# Allegro board 6089-103-RevB_76.brd (continued)
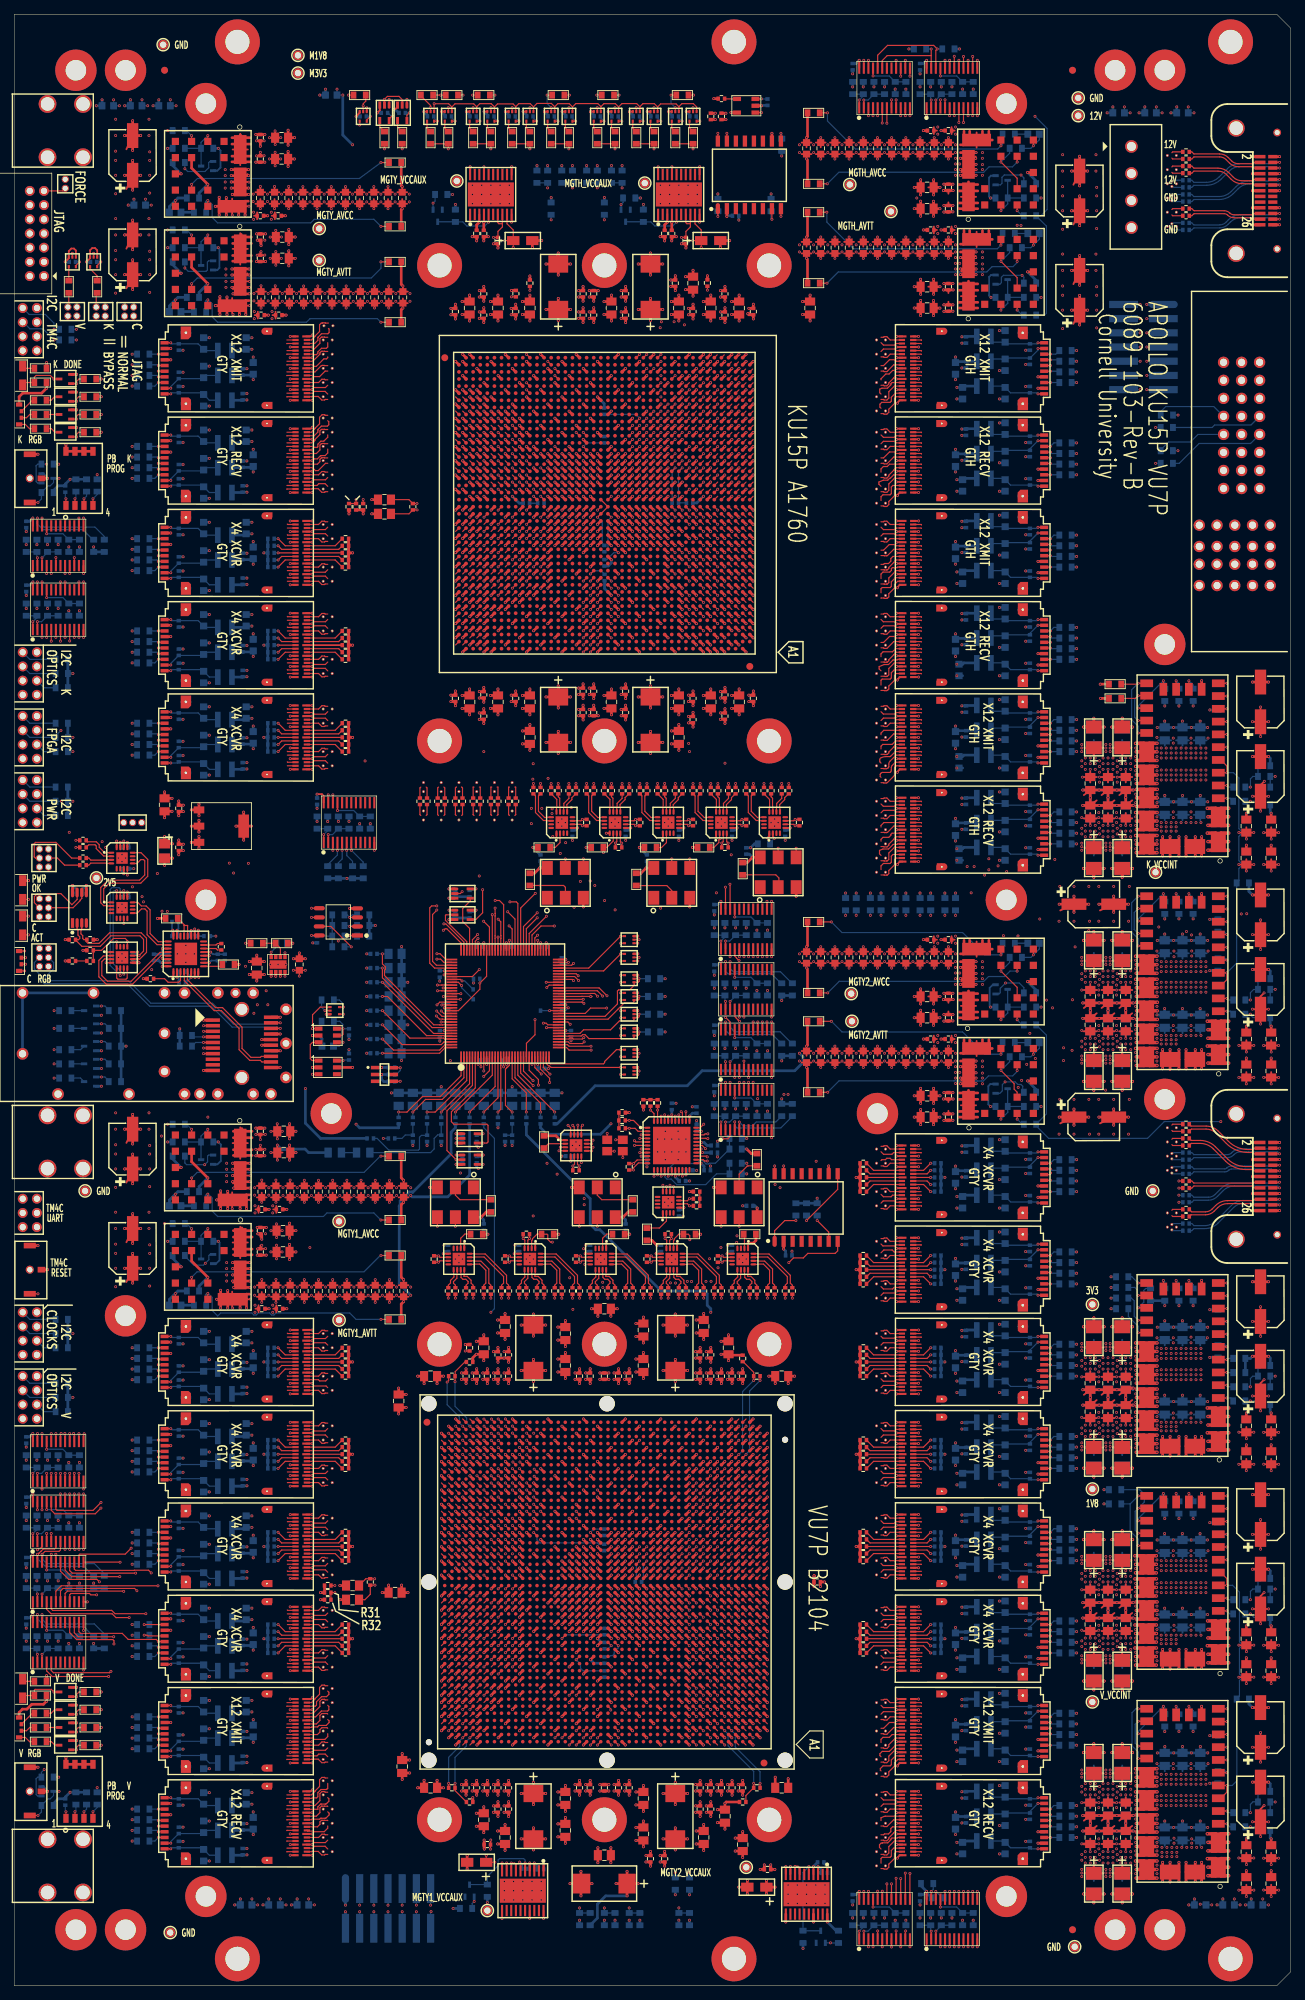
[diagram p0: board, top side]
## Routing (per net, layer and track width the routed paths; a pad name or vN(x,y) marks a point on that pad's centre or on a via; arc(x,y) is an arc through that point) (continued)
; 94.71,65.41 v1(95.17,65.87) ; C350.2 v1(126.88,250.4) ; C350.2 v1(127.79,249.35) ; C350.2 v1(127.79,251.45) ; C354.2 v1(127.79,135.35) ; C354.2 v1(127.79,137.45) ; C354.2 v1(126.88,136.4) ; U65.V28 v1(76.23,204.93) ; U66.AD3 v1(104.16,57.87) ; v1(81.45,14.4) C196.2 79.9,14.4 ; U65.M39 v1(65.23,198.93) ; 161.9,160.53 v1(161.9,161.9) ; 161.9,160.53 U122.27 ; 161.9,160.53 v1(161.9,159.2) ; U66.AH41 v1(65.23,61.86) ; 164.2,16.02 v1(164.2,17.4) ; 164.2,16.02 v1(164.2,14.7) ; 164.2,16.02 U126.27 ; U65.B3 v1(102.17,188.93) ; U29.2 v1(22.07,38.7) ; U65.AW21 v1(84.17,226.87) ; U66.AG25 v1(81.24,60.87) ; SW2.3 v1(4.7,100.9) ; U66.AY5 v1(102.16,73.87) ; U65.AK3 v1(102.17,217.87) ; v1(100.86,245.9) C261.2 v1(99.55,244.93) ; v1(67.56,245.45) C129.2 v1(68.2,244.87) ; v1(65.56,235.85) C118.2 v1(66.2,236.43) ; U66.F40 v1(66.23,38.93) ; v1(69.06,24.45) C145.2 v1(69.7,23.87) ; R65.1 R66.1 R67.1 ; R65.1 R64.1 R63.1 ; R65.1 v1(47.71,48.9) ; U65.Y13 v1(92.17,206.93) ; U65.R1 v1(104.17,201.93) ; U65.AK40 v1(64.23,217.87) ; U65.BA27 v1(77.23,228.87) ; v1(66.2,91.72) C122.2 v1(65.15,90.81) ; v1(102.2,179.08) C288.2 v1(101.15,179.99) ; C428.2 v1(155.45,136.31) C408.2 ; C428.2 v1(157.75,136.31) ; C428.2 v1(156.7,137.41) C427.2 ; v1(64.56,246.45) C111.2 v1(65.2,245.87) ; v1(33.25,98.4) 32.1,98.4 ; 32.1,98.4 v1(30.95,98.4) ; 32.1,98.4 32.1,99.3 ; U65.AK29 v1(75.23,217.87) ; U123.13 v1(167.4,153.88) ; U65.J2 v1(103.17,195.93) ; U13.11 v1(37.51,129.38) ; U25.2 v1(22.07,90.7) ; U65.AJ41 v1(63.23,216.87) ; U27.4 v1(22.07,63.1) ; C406.2 v1(154.2,167.41) C405.2 ; U65.AN11 v1(94.17,220.87) ; v1(135.55,143.5) 134.45,143.5 ; U65.C33 v1(71.23,189.93) ; C38.2 v1(38.43,109.4) ; U29.4 v1(22.07,37.1) ; U66.AK8 v1(99.16,63.87) ; U66.F44 v1(62.24,38.93) ; U66.AF42 v1(64.24,59.85) ; v1(79.56,235.85) C178.2 v1(80.2,236.43) ; U66.AG21 v1(86.15,60.87) ; Q4.2 v1(8.8,219.55) ; U66.AC39 v1(67.24,55.93) ; 161.9,76.03 v1(161.9,77.4) ; 161.9,76.03 v1(161.9,74.7) ; 161.9,76.03 U124.27 ; U66.AN43 v1(63.23,66.86) ; U66.AJ25 v1(81.24,62.88) ; U66.U17 v1(90.17,49.93) ; U65.AN42 v1(62.23,220.87) ; U66.AA44 v1(62.24,53.95) ; U66.AK40 v1(66.23,63.87) ; v1(56.88,27.9) C95.2 v1(57.79,28.95) ; U66.AD14 v1(93.16,57.87) ; U65.U27 v1(77.23,203.93) ; U66.G2 v1(105.15,39.93) ; C404.2 v1(153.65,12.94) 153.66,12.94 ; C404.2 v1(150.75,12.94) 150.74,12.94 ; U65.AN38 v1(66.23,220.87) ; v1(34.16,242.95) C21.2 v1(35.44,242.95) ; U46.3 v1(61.3,150.24) ; U66.V16 v1(91.16,50.92) ; U65.E9 v1(96.17,191.93) ; U66.T46 v1(60.23,48.94) ; U108.4 v1(144.33,174.7) ; U66.D32 v1(74.23,36.93) ; U65.C23 v1(81.23,189.93) ; U35.4 v1(47.3,151.81) ; U65.B38 v1(66.23,188.93) ; U66.D41 v1(65.23,36.93) ; U65.B20 v1(85.17,188.93) ; C299.2 v1(103.35,14.87) ; C299.2 v1(102.15,13.9) ; C299.2 v1(103.35,12.93) ; U104.4 v1(144.33,226.7) ; U66.AE23 v1(84.17,58.86) ; U65.AN35 v1(69.23,220.87) ; U27.2 v1(22.07,64.7) ; C472.2 v1(177.2,130.72) ; v1(38.81,107.45) C44.2 ; C44.2 v1(39.72,106.4) ; C44.2 v1(38.81,105.35) ; v1(85.56,181.95) C208.2 v1(86.2,181.37) ; P3.2 v1(174.58,118.83) ; U65.AG19 v1(86.17,214.87) ; C423.2 v1(157.65,32.86) 157.66,32.86 ; C423.2 v1(154.75,32.86) 154.73,32.86 ; v1(81.7,236.43) C186.2 v1(81.06,235.85) ; 31.9,252.4 v1(33.05,252.4) ; 31.9,252.4 v1(30.75,252.4) ; v1(96.06,24.45) C256.2 v1(96.7,23.87) ; U66.BD41 v1(65.23,77.86) ; U95.10 v1(106.82,261.02) ; U65.W17 v1(88.17,205.93) ; U66.AA23 v1(84.17,53.95) ; U65.AC13 v1(92.17,210.87) ; U65.E41 v1(63.23,191.93) ; U65.P38 v1(66.23,200.93) ; v1(176.83,58.7) C466.2 v1(174.57,58.7) ; U65.AB26 v1(78.23,209.87) ; U65.AT3 v1(102.17,223.87) ; U66.L1 v1(106.17,43.94) ; R114.2 v1(80.63,160.4) ; U66.AJ5 v1(102.16,62.88) ; U65.AU40 v1(64.23,224.87) ; U65.W2 v1(103.17,205.93) ; C390.2 v1(150.65,51.81) ; U120.15 v1(142.86,141.5) ; U66.AE35 v1(71.23,58.86) ; C237.2 v1(93.2,22.25) ; C237.2 v1(91.47,20.7) ; C237.2 v1(94.93,20.7) ; C237.2 v1(93.2,19.15) ; U65.AE29 v1(75.23,212.87) ; U65.AB29 v1(75.23,209.87) ; C418.2 v1(154.75,127.44) 154.74,127.44 ; U65.AD3 v1(102.17,211.87) ; U66.AG5 v1(102.16,60.87) ; R60.1 v1(47.71,61.9) ; R60.1 R59.1 R58.1 ; U66.M12 v1(95.17,44.93) ; U16.15 v1(23.54,241.3) ; U65.K3 v1(102.17,196.93) ; v1(104.2,180.37) C296.2 v1(103.56,180.95) ; U66.BC44 v1(62.24,76.87) ; U66.R2 v1(105.15,47.93) ; U65.AF22 v1(82.23,213.87) ; U23.4 v1(22.07,190.1) ; 164.2,160.53 v1(164.2,161.9) ; 164.2,160.53 U122.27 ; 164.2,160.53 v1(164.2,159.2) ; C7.2 v1(16.7,118.62) ; C7.2 v1(17.83,120.7) ; C7.2 v1(15.57,120.7) ; C7.2 v1(16.7,122.78) ; U66.AL1 v1(106.17,64.86) ; C388.2 v1(150.65,81.81) ; v1(99.06,86.35) C274.2 v1(99.7,86.93) ; U65.AH28 v1(76.23,215.87) ; C430.2 v1(157.75,81.81) ; U65.AH35 v1(69.23,215.87) ; C42.2 v1(38.71,245.35) ; C42.2 v1(38.71,247.45) ; C42.2 v1(39.62,246.4) ; C37.2 v1(38.33,235.4) ; U66.AF40 v1(66.23,59.85) ; U66.A12 v1(95.17,33.93) ; U66.G13 v1(94.16,39.93) ; U65.AW31 v1(73.23,226.87) ; 177.43,109.22 v1(178.38,109.22) ; v1(68.2,26.87) C135.2 v1(67.56,27.45) ; U65.AA23 v1(81.23,207.93) ; U66.BF26 v1(80.25,79.87) ; U65.AJ38 v1(66.23,216.87) ; v1(99.06,27.45) C275.2 v1(99.7,26.87) ; U66.BF16 v1(91.16,79.87) ; U65.G15 v1(90.17,193.93) ; U66.AE1 v1(106.17,58.86) ; U65.Y28 v1(76.23,206.93) ; U65.AE21 v1(84.17,212.87) ; v1(54.2,84.22) C84.2 v1(55.25,83.31) ; U65.N42 v1(62.23,199.93) ; U66.AC2 v1(105.15,55.93) ; U66.AC7 v1(100.17,55.93) ; U66.AC42 v1(64.24,55.93) ; U65.AB11 v1(94.17,209.87) ; C391.2 v1(151.7,22.89) C392.2 ; C391.2 v1(152.94,23.99) C413.2 ; C391.2 v1(150.65,23.99) ; U65.V39 v1(65.23,204.93) ; v1(176.83,173.2) C460.2 v1(174.57,173.2) ; U65.E5 v1(100.17,191.93) ; U66.J1 v1(106.17,41.93) ; U65.C6 v1(99.17,189.93) ; U66.AR1 v1(106.17,68.87) ; U66.M3 v1(104.16,44.93) ; U66.C2 v1(105.15,35.94) ; U65.AR42 v1(62.23,222.87) ; U66.AA10 v1(97.15,53.95) ; U33.2 v1(42.04,129.4) ; U66.AF45 v1(61.25,59.85) ; U65.AE1 v1(104.17,212.87) ; U66.P22 v1(85.16,46.94) ; U65.W19 v1(86.17,205.93) ; U66.U35 v1(71.23,49.93) ; C357.2 v1(128.17,261.4) ; U112.4 v1(144.33,86.7) ; C473.2 v1(177.2,80.72) ; 156.2,147.31 v1(154.75,147.31) 154.71,147.31 ; 156.2,147.31 v1(157.65,147.31) ; 156.2,147.31 C417.2 v1(156.2,148.55) 156.2,148.56 ; v1(80.2,239.43) C177.2 v1(79.56,238.85) ; U66.AA1 v1(106.17,53.95) ; v1(54.8,239.5) 54.56,239.74 R75.2 ; U66.AJ42 v1(64.24,62.88) ; U66.W44 v1(62.24,51.94) ; U65.AJ1 v1(104.17,216.87) ; U66.AC5 v1(102.16,55.93) ; U65.AE25 v1(79.23,212.87) ; U66.AF14 v1(93.16,59.85) ; v1(23.2,159.37) C13.2 v1(23.84,159.95) ; U65.AG17 v1(88.17,214.87) ; U66.AF4 v1(103.17,59.85) ; R160.2 111.84,129.29 ; U66.L44 v1(62.24,43.94) ; U113.2 v1(144.33,72.1) ; v1(92.65,235.49) C238.2 v1(93.7,234.58) ; v1(92.56,240.35) C234.2 v1(93.2,240.93) ; U66.AH24 v1(82.23,61.86) ; v1(77.7,24.58) C169.2 v1(76.65,25.49) ; C408.2 v1(154.2,137.41) C407.2 ; C408.2 v1(152.96,136.31) C386.2 ; U65.AP7 v1(98.17,221.87) ; U65.K30 v1(74.23,196.93) ; v1(63.7,86.93) C105.2 v1(63.06,86.35) ; U66.J42 v1(64.24,41.93) ; U65.A12 v1(93.17,187.93) ; U66.AD26 v1(80.25,57.87) ; U66.AH46 v1(60.23,61.86) ; U66.AV30 v1(76.23,71.87) ; U65.H11 v1(94.17,194.93) ; U66.AD5 v1(102.16,57.87) ; R35.1 R34.1 R33.1 ; R35.1 R36.1 R37.1 ; R35.1 v1(47.71,201.9) ; U65.BA12 v1(93.17,228.87) ; U65.AG5 v1(100.17,214.87) ; C353.2 v1(127.79,138.35) ; C353.2 v1(127.79,140.45) ; C353.2 v1(126.88,139.4) ; U66.AH37 v1(69.25,61.86) ; U65.AN2 v1(103.17,220.87) ; U65.N23 v1(81.23,199.93) ; C405.2 v1(152.94,168.49) C383.2 ; U66.U43 v1(63.23,49.93) ; 103.7,65.41 v1(104.16,65.87) ; U66.AN10 v1(97.15,66.86) ; 79.9,14.4 v1(79.9,16.13) ; 79.9,14.4 v1(79.9,12.67) ; 79.9,14.4 v1(78.35,14.4) ; U65.G36 v1(68.23,193.93) ; v1(64.2,179.08) C108.2 v1(63.15,179.99) ; U66.AJ44 v1(62.24,62.88) ; U66.AK34 v1(72.25,63.87) ; P2.8 v1(174.58,255.32) ; v1(63.15,237.31) C107.2 v1(64.2,238.22) ; C360.2 v1(128.17,133.4) ; U65.AM11 v1(94.17,219.87) ; U66.E5 v1(102.16,37.94) ; U65.W29 v1(75.23,205.93) ; U65.J41 v1(63.23,195.93) ; U66.Y18 v1(89.18,52.93) ; U66.C1 v1(106.17,35.94) ; v1(66.28,19.27) 66.28,19.34 66.25,19.38 C126.2 v1(66.25,20.54) ; U122.27 v1(162.95,159.14) ; U122.27 v1(162.95,161.91) ; v1(132.34,125.85) C379.2 v1(131.06,125.85) ; U124.27 v1(162.95,77.41) ; U124.27 164.2,76.03 ; U124.27 v1(162.95,74.64) ; v1(77.7,89.22) C168.2 v1(76.65,88.31) ; C401.2 v1(150.75,62.86) 150.72,62.86 ; C401.2 v1(152.2,64.1) 152.2,64.12 ; C401.2 v1(153.65,62.86) 153.65,62.86 ; U65.E19 v1(86.17,191.93) ; U66.AJ15 v1(92.17,62.88) ; U66.N15 v1(92.17,45.95) ; v1(135.6,144.3) 134.5,144.3 ; 134.5,144.3 133.4,144.3 ; 134.5,144.3 134.5,142.64 ; U66.BF6 v1(101.17,79.87) ; U66.D9 v1(98.17,36.93) ; U66.N25 v1(81.24,45.95) ; U65.AL27 v1(77.23,218.87) ; U65.F22 v1(82.23,192.93) ; v1(86.2,178.37) C209.2 v1(85.56,178.95) ; U66.F12 v1(95.17,38.93) ; U66.U10 v1(97.15,49.93) ; U65.A27 v1(77.23,187.93) ; U65.BB40 v1(64.23,229.87) ; U65.AU42 v1(62.23,224.87) ; U65.AR19 v1(86.17,222.87) ; U66.AG43 v1(63.23,60.87) ; U66.AV8 v1(99.16,71.87) ; U66.U23 v1(84.17,49.93) ; U66.J17 v1(90.17,41.93) ; U66.V40 v1(66.23,50.92) ; U66.AJ1 v1(106.17,62.88) ; v1(176.83,143.2) C462.2 v1(174.57,143.2) ; U65.AK38 v1(66.23,217.87) ; U65.Y7 v1(98.17,206.93) ; U65.AH16 v1(89.17,215.87) ; U66.V3 v1(104.16,50.92) ; U99.17 v1(112.67,9) ; U66.AW5 v1(102.16,72.86) ; U65.T29 v1(75.23,202.93) ; U114.2 v1(144.33,59.1) ; U66.AJ2 v1(105.15,62.88) ; v1(81.06,178.95) C188.2 v1(82.33,178.95) ; U66.AU44 v1(62.24,70.85) ; C369.2 v1(130.67,247.4) ; R45.1 v1(47.71,175.9) ; R45.1 R46.1 R47.1 ; U65.AH39 v1(65.23,215.87) ; U111.4 v1(144.33,99.7) ; U66.F3 v1(104.16,38.93) ; U65.J38 v1(66.23,195.93) ; v1(67.15,179.99) C131.2 v1(68.2,179.08) ; U71.3 v1(87.91,142.4) ; U65.AK33 v1(71.23,217.87) ; U65.AH26 v1(78.23,215.87) ; v1(88.7,24.58) C220.2 v1(87.65,25.49) ; U65.AD16 v1(89.17,211.87) ; U65.AJ5 v1(100.17,216.87) ; C386.2 v1(150.65,136.31) ; C45.2 v1(38.81,102.35) ; C45.2 v1(39.72,103.4) ; C45.2 v1(38.81,104.45) ; U65.AU41 v1(63.23,224.87) ; U65.V20 v1(85.17,204.93) ; U65.H7 v1(98.17,194.93) ; U66.AK3 v1(104.16,63.87) ; U66.AV20 v1(87.17,71.87) ; v1(153.65,147.31) 152.2,147.31 ; 152.2,147.31 v1(150.75,147.31) 150.74,147.31 ; 152.2,147.31 C396.2 v1(152.2,148.55) ; U66.AU42 v1(64.24,70.85) ; U65.U13 v1(92.17,203.93) ; U66.W25 v1(81.24,51.94) ; U66.N6 v1(101.17,45.95) ; U65.AE27 v1(77.23,212.87) ; 101.69,65.41 v1(102.16,65.87) ; U65.AM12 v1(93.17,219.87) ; U66.W21 v1(86.15,51.94) ; U66.AA7 v1(100.17,53.95) ; U66.AN15 v1(92.17,66.86) ; U66.B44 v1(62.24,34.95) ; U65.V24 v1(80.23,204.93) ; v1(102.7,18.08) C292.2 v1(101.65,18.99) ; U66.AY7 v1(100.17,73.87) ; R27.2 v1(31.7,143.9) ; U66.AK18 v1(89.18,63.87) ; U66.J44 v1(62.24,41.93) ; U20.4 v1(22.07,229.1) ; U65.AH3 v1(102.17,215.87) ; v1(98.2,26.87) C267.2 v1(97.56,27.45) ; U65.AG33 v1(71.23,214.87) ; U66.AY2 v1(105.15,73.87) ; C43.2 v1(39.62,243.4) ; C43.2 v1(38.71,244.45) ; C43.2 v1(38.71,242.35) ; U65.BA37 v1(67.23,228.87) ; C41.2 v1(39.52,257.4) ; C41.2 v1(38.61,258.45) ; C41.2 v1(38.61,256.35) ; U65.E38 v1(66.23,191.93) ; U66.F36 v1(70.24,38.93) ; U65.AF40 v1(64.23,213.87) ; U116.2 v1(144.33,33.1) ; U66.AK42 v1(64.24,63.87) ; v1(70.06,180.95) C147.2 v1(70.7,180.37) ; U65.K13 v1(92.17,196.93) ; v1(84.56,86.35) C202.2 v1(85.2,86.93) ; U105.2 v1(144.33,212.1) ; U65.AL42 v1(62.23,218.87) ; U66.AW10 v1(97.15,72.86) ; U65.AD39 v1(65.23,211.87) ; U43.3 v1(58.58,112.5) ; v1(35.34,116.95) C23.2 v1(34.06,116.95) ; U22.4 v1(22.07,203.1) ; U66.AB8 v1(99.16,54.94) ; U66.W39 v1(67.24,51.94) ; U48.3 v1(62.3,115.74) ; v1(66.06,27.45) C125.2 v1(66.7,26.87) ; U65.U33 v1(71.23,203.93) ; R57.1 R56.1 R55.1 ; U66.AC10 v1(97.15,55.93) ; U66.J43 v1(63.23,41.93) ; C394.2 v1(153.65,157.44) 153.66,157.44 ; U65.AN18 v1(87.17,220.87) ; v1(68.2,23.87) C136.2 v1(67.56,24.45) ; U66.F16 v1(91.16,38.93) ; U66.AJ10 v1(97.15,62.88) ; U66.BC42 v1(64.24,76.87) ; U66.AG39 v1(67.24,60.87) ; U66.T22 v1(85.16,48.94) ; U66.K5 v1(102.16,42.95) ; U65.R13 v1(92.17,201.93) ; C40.2 v1(38.61,261.45) ; C40.2 v1(39.52,260.4) ; C40.2 v1(38.61,259.35) ; C358.2 v1(128.17,247.4) ; U66.BA21 v1(86.15,74.87) ; U65.AD29 v1(75.23,211.87) ; U66.A3 v1(104.16,33.93) ; R156.2 111.84,243.29 ; C452.2 v1(173.7,130.72) ; U65.U5 v1(100.17,203.93) ; U66.F26 v1(80.25,38.93) ; U65.AF26 v1(78.23,213.87) ; U66.AL11 v1(96.16,64.86) ; U66.AG17 v1(90.17,60.87) ; U66.B2 v1(105.15,34.95) ; R175.1 R174.1 R173.1 ; U65.D11 v1(94.17,190.93) ; U65.AW1 v1(104.17,226.87) ; U39.2 v1(51.8,128.4) ; 156.2,156.17 v1(156.2,156.2) C416.2 ; U66.AV46 v1(60.23,71.87) ; U65.BA32 v1(72.23,228.87) ; U66.W5 v1(102.16,51.94) ; U66.T9 v1(98.17,48.94) ; U66.AU38 v1(68.23,70.85) ; U65.J9 v1(96.17,195.93) ; U66.AY42 v1(64.24,73.87) ; U65.H35 v1(69.23,194.93) ; U65.B25 v1(79.23,188.93) ; v1(92.65,174.99) C240.2 v1(93.7,174.08) ; U65.J1 v1(104.17,195.93) ; U117.2 v1(144.33,20.1) ; U66.AB30 v1(76.23,54.94) ; U66.U33 v1(73.24,49.93) ; U65.W23 v1(81.23,205.93) ; v1(80.56,86.35) C183.2 v1(81.2,86.93) ; U65.AV3 v1(102.17,225.87) ; U66.AG1 v1(106.17,60.87) ; U13.10 v1(26.69,128.98) ; U66.AY8 v1(99.16,73.87) ; v1(23.2,166.93) C12.2 v1(23.84,166.35) ; U65.B8 v1(97.17,188.93) ; U65.AG37 v1(67.23,214.87) ; U65.AW10 v1(95.17,226.87) ; U65.AB4 v1(101.17,209.87) ; U66.AY3 v1(104.16,73.87) ; U65.AF28 v1(76.23,213.87) ; v1(79.56,178.95) C180.2 v1(80.2,178.37) ; v1(17.83,246.7) C6.2 ; C6.2 v1(15.57,246.7) ; C6.2 v1(16.7,244.62) ; C6.2 v1(16.7,248.78) ; U66.B12 v1(95.17,34.95) ; U66.AP5 v1(102.16,67.86) ; U66.U19 v1(88.16,49.93) ; U66.BC6 v1(101.17,76.87) ; U65.AD22 v1(82.23,211.87) ; C407.2 v1(155.45,138.49) C427.2 ; U66.AV45 v1(61.25,71.87) ; 97.7,65.41 v1(98.17,65.87) ; U66.AU35 v1(71.23,70.85) ; U66.AJ35 v1(71.23,62.88) ; U66.P35 v1(71.23,46.94) ; v1(135.6,128.64) 135,128.64 ; U66.R1 v1(106.17,47.93) ; U66.BC4 v1(103.17,76.87) ; v1(99.56,181.45) C278.2 v1(100.2,180.87) ; v1(96.06,27.45) C255.2 v1(96.7,26.87) ; 32,239.3 v1(30.7,239.3) ; 32,239.3 v1(33.15,239.3) ; 32,239.3 32,238.4 ; U66.AC23 v1(84.17,55.93) ; U65.R19 v1(86.17,201.93) ; U66.BB28 v1(78.24,75.86) ; C457.2 v1(173.7,20.72) ; U65.W13 v1(92.17,205.93) ; U65.BB30 v1(74.23,229.87) ; U66.H12 v1(95.17,40.94) ; v1(98.2,89.93) C265.2 v1(97.56,89.35) ; U65.P11 v1(94.17,200.93) ; U39.1 v1(51.8,129.38) ; v1(54.7,253.5) 54.56,253.64 R73.2 ; U66.K46 v1(60.23,42.95) ; U66.AR42 v1(64.24,68.87) ; U65.V22 v1(82.23,204.93) ; U65.K38 v1(66.23,196.93) ; Q8.2 v1(8.8,34.55) ; v1(68.2,86.93) C134.2 v1(67.56,86.35) ; U65.BB10 v1(95.17,229.87) ; U65.AP11 v1(94.17,221.87) ; U65.J37 v1(67.23,195.93) ; U66.Y42 v1(64.24,52.93) ; U65.P4 v1(101.17,200.93) ; U65.AL33 v1(71.23,218.87) ; 154.69,157.44 v1(154.75,157.44) C416.2 ; U66.W43 v1(63.23,51.94) ; U66.AK4 v1(103.17,63.87) ; v1(21.2,157.88) C11.2 v1(22.3,158.88) ; C39.2 v1(38.43,95.4) ; U66.AB12 v1(95.17,54.94) ; U65.AW9 v1(96.17,226.87) ; U66.V35 v1(71.23,50.92) ; U66.L43 v1(63.23,43.94) ; U65.J11 v1(94.17,195.93) ; U66.M28 v1(78.24,44.93) ; U66.AR2 v1(105.15,68.87) ; P2.13 v1(178.38,252.93) ; U66.AH22 v1(85.16,61.86) ; U65.AE13 v1(92.17,212.87) ; U65.AV7 v1(98.17,225.87) ; U66.T5 v1(102.16,48.94) ; v1(35.44,246.85) C20.2 v1(34.16,246.85) ; v1(79.7,26.87) C176.2 v1(79.06,27.45) ; U66.AH16 v1(91.16,61.86) ; v1(81.2,26.87) C184.2 v1(80.56,27.45) ; Q2.2 v1(8.8,224.55) ; U65.BB8 v1(97.17,229.87) ; U66.N42 v1(64.24,45.95) ; 164.2,76.03 v1(164.2,77.4) ; 164.2,76.03 v1(164.2,74.7) ; v1(101.2,86.93) C284.2 v1(100.56,86.35) ; C392.2 v1(150.65,21.81) ; U65.H39 v1(65.23,194.93) ; R50.1 v1(47.71,87.9) ; R50.1 R51.1 R52.1 ; R50.1 R49.1 R48.1 ; v1(83.15,237.31) C198.2 v1(84.2,238.22) ; U65.A7 v1(98.17,187.93) ; U65.AG38 v1(66.23,214.87) ; v1(131.06,135.93) 131.68,135.93 C376.2 v1(132.34,135.95) ; U66.V8 v1(99.16,50.92) ; v1(49.2,207.39) R71.1 R69.1 ; U65.BA2 v1(103.17,228.87) ; U65.R41 v1(63.23,201.93) ; U66.J27 v1(79.23,41.93) ; R40.1 R41.1 R42.1 ; R40.1 v1(47.71,188.9) ; U65.N9 v1(96.17,199.93) ; U65.G5 v1(100.17,193.93) ; U66.AV5 v1(102.16,71.87) ; C450.2 v1(173.7,160.72) ; U65.AE5 v1(100.17,212.87) ; U65.AB13 v1(92.17,209.87) ; U66.G39 v1(67.24,39.93) ; R29.2 v1(39.27,146.9) ; U105.4 v1(144.33,213.7) ; U66.AL5 v1(102.16,64.86) ; U65.AF13 v1(92.17,213.87) ; 71.69,65.41 v1(71.23,65.87) ; U66.V26 v1(80.25,50.92) ; U66.AU10 v1(97.15,70.85) ; v1(63.7,26.87) C106.2 v1(63.06,27.45) ; U66.AH45 v1(61.25,61.86) ; U65.C1 v1(104.17,189.93) ; U66.BB18 v1(89.18,75.86) ; U66.J38 v1(68.23,41.93) ; U65.AW26 v1(78.23,226.87) ; U66.BD46 v1(60.23,77.86) ; U65.P26 v1(78.23,200.93) ; U66.AP42 v1(64.24,67.86) ; U66.D5 v1(102.16,36.93) ; U66.AN5 v1(102.16,66.86) ; U66.R5 v1(102.16,47.93) ; U65.E2 v1(103.17,191.93) ; U66.AY44 v1(62.24,73.87) ; U65.U37 v1(67.23,203.93) ; U65.AK11 v1(94.17,217.87) ; SW1.3 v1(4.7,212.4) ; U126.27 v1(162.95,17.41) ; U126.27 161.9,16.02 ; U126.27 v1(162.95,14.64) ; U65.AA37 v1(67.23,207.93) ; U110.4 v1(144.33,112.7) ; U65.A6 v1(99.17,187.93) ; U65.AH7 v1(98.17,215.87) ; U66.K36 v1(70.24,42.95) ; U65.AK13 v1(92.17,217.87) ; U66.AP32 v1(74.23,67.86) ; U66.AD42 v1(64.24,57.87) ; v1(131.06,139.85) C375.2 v1(132.34,139.85) ; U66.AN44 v1(62.24,66.86) ; U65.AU39 v1(65.23,224.87) ; SW5.5 SW5.7 7.29,31.21 v1(7.29,32.15) ; U66.AG23 v1(84.17,60.87) ; U65.K4 v1(101.17,196.93) ; U65.AY4 v1(101.17,227.87) ; U116.4 v1(144.33,34.7) ; R99.1 v1(70.12,238.88) ; U66.BE45 v1(61.25,78.85) ; 133.4,130.3 134.5,130.3 ; 134.5,130.3 v1(135.6,130.3) ; U66.E45 v1(61.25,37.94) ; U65.A32 v1(72.23,187.93) ; U66.AB26 v1(80.25,54.94) ; U66.BB6 v1(101.17,75.86) ; U66.P8 v1(99.16,46.94) ; U65.K12 v1(93.17,196.93) ; U65.AM20 v1(85.17,219.87) ; U66.AY14 v1(93.16,73.87) ; U65.V7 v1(98.17,204.93) ; U65.N2 v1(103.17,199.93) ; U66.A10 v1(97.15,33.93) ; v1(88.7,89.22) C219.2 v1(87.65,88.31) ; U65.AH18 v1(87.17,215.87) ; v1(72.7,238.22) C152.2 v1(71.65,237.31) ; U66.C15 v1(92.17,35.94) ; U66.L7 v1(100.17,43.94) ; U65.U17 v1(88.17,203.93) ; U66.AR35 v1(71.23,68.87) ; U65.L1 v1(104.17,197.93) ; U66.Y35 v1(71.23,52.93) ; R140.2 v1(95.63,160.4) ; v1(135.6,258.3) 134.5,258.3 ; 134.5,258.3 133.4,258.3 ; U65.AM7 v1(98.17,219.87) ; U66.AE29 v1(77.22,58.86) ; U66.AU6 v1(101.17,70.85) ; U65.AN37 v1(67.23,220.87) ; SW3.3 v1(4.7,27.4) ; U66.AP36 v1(70.24,67.86) ; U66.AF35 v1(71.23,59.85) ; U66.AA35 v1(71.23,53.95) ; v1(176.83,28.7) C468.2 v1(174.57,28.7) ; U66.AN2 v1(105.15,66.86) ; U65.F39 v1(65.23,192.93) ; Q6.2 v1(8.8,39.55) ; U65.AG9 v1(96.17,214.87) ; U66.AK46 v1(60.23,63.87) ; U66.K42 v1(64.24,42.95) ; 134.5,142.64 U120.2 134.53,143.12 134.15,143.5 v1(133.4,143.5) ; U65.AY39 v1(65.23,227.87) ; R148.1 104.56,105.02 104.19,104.64 103.49,104.64 v1(103.45,104.61) ; U66.F4 v1(103.17,38.93) ; C416.2 v1(157.65,157.44) 157.65,157.44 ; U65.J42 v1(62.23,195.93) ; 44.52,136.9 v1(43.99,136.9) ; v1(131.06,239.85) C371.2 v1(132.34,239.85) ; U66.AY45 v1(61.25,73.87) ; U65.V3 v1(102.17,204.93) ; U65.AP3 v1(102.17,221.87) ; U66.AC43 v1(63.23,55.93) ; U13.20 v1(37.51,136.47) ; v1(61.56,180.95) C100.2 v1(62.2,180.37) ; U66.AA27 v1(79.23,53.95) ; v1(66.7,86.93) C124.2 v1(66.06,86.35) ; U66.T18 v1(89.18,48.94) ; C474.2 v1(177.2,76.22) ; U65.AD4 v1(101.17,211.87) ; U65.U40 v1(64.23,203.93) ; U65.AV23 v1(81.23,225.87) ; U66.W1 v1(106.17,51.94) ; U65.AH40 v1(64.23,215.87) ; U66.T4 v1(103.17,48.94) ; U66.BF3 v1(104.16,79.87) ; U66.AK35 v1(71.23,63.87) ; v1(76.65,92.81) C167.2 v1(77.7,93.72) ; U65.AF4 v1(101.17,213.87) ; C27.2 v1(35.83,235.4) ; SW2.1 v1(3.35,104.3) ; U66.AR12 v1(95.17,68.87) ; U66.U2 v1(105.15,49.93) ; U66.R39 v1(67.24,47.93) ; U66.BE2 v1(105.15,78.85) ; U109.4 v1(144.33,161.7) ; U66.AP3 v1(104.16,67.86) ; v1(71.65,179.99) C153.2 v1(72.7,179.08) ; U65.AH30 v1(74.23,215.87) ; U66.C44 v1(62.24,35.94) ; U65.AD18 v1(87.17,211.87) ; U90.2 v1(105.36,264.9) ; U66.AR19 v1(88.16,68.87) ; U119.15 v1(142.86,241.5) ; U65.W40 v1(64.23,205.93) ; U65.AD28 v1(76.23,211.87) ; U65.AM35 v1(69.23,219.87) ; U65.AG23 v1(81.23,214.87) ; U65.AN1 v1(104.17,220.87) ; U66.AD45 v1(61.25,57.87) ; U66.K4 v1(103.17,42.95) ; U66.AK14 v1(93.16,63.87) ; U66.BC41 v1(65.23,76.87) ; U65.P13 v1(92.17,200.93) ; U66.W27 v1(79.23,51.94) ; U66.A21 v1(86.15,33.93) ; U66.AJ6 v1(101.17,62.88) ; U66.P32 v1(74.23,46.94) ; v1(95.06,177.95) C248.2 v1(95.7,177.37) ; U65.K31 v1(73.23,196.93) ; v1(110.02,85.9) 